# Allegro board LED_FIN.brd (continued)
## Placement (name value [footprint] x y rotation side) (continued)
D9711  0603_LED  [0603_SINGLE]  77.25 202 0 top
D9712  0603_LED  [0603_SINGLE]  79.25 202 0 top
D9713  0603_LED  [0603_SINGLE]  81.25 202 0 top
D9714  0603_LED  [0603_SINGLE]  83.25 202 0 top
D9715  0603_LED  [0603_SINGLE]  85.25 202 0 top
D9716  0603_LED  [0603_SINGLE]  87.25 202 0 top
D9717  0603_LED  [0603_SINGLE]  89.25 202 0 top
D9718  0603_LED  [0603_SINGLE]  91.25 202 0 top
D9719  0603_LED  [0603_SINGLE]  93.25 202 0 top
D9720  0603_LED  [0603_SINGLE]  95.25 202 0 top
D9721  0603_LED  [0603_SINGLE]  37.25 200 0 top
D9722  0603_LED  [0603_SINGLE]  39.25 200 0 top
D9723  0603_LED  [0603_SINGLE]  41.25 200 0 top
D9724  0603_LED  [0603_SINGLE]  43.25 200 0 top
D9725  0603_LED  [0603_SINGLE]  45.25 200 0 top
D9726  0603_LED  [0603_SINGLE]  47.25 200 0 top
D9727  0603_LED  [0603_SINGLE]  49.25 200 0 top
D9728  0603_LED  [0603_SINGLE]  51.25 200 0 top
D9729  0603_LED  [0603_SINGLE]  53.25 200 0 top
D9730  0603_LED  [0603_SINGLE]  55.25 200 0 top
D9731  0603_LED  [0603_SINGLE]  57.25 200 0 top
D9732  0603_LED  [0603_SINGLE]  59.25 200 0 top
D9733  0603_LED  [0603_SINGLE]  61.25 200 0 top
D9734  0603_LED  [0603_SINGLE]  63.25 200 0 top
D9735  0603_LED  [0603_SINGLE]  65.25 200 0 top
D9736  0603_LED  [0603_SINGLE]  67.25 200 0 top
D9737  0603_LED  [0603_SINGLE]  69.25 200 0 top
D9738  0603_LED  [0603_SINGLE]  71.25 200 0 top
D9739  0603_LED  [0603_SINGLE]  73.25 200 0 top
D9740  0603_LED  [0603_SINGLE]  75.25 200 0 top
D9741  0603_LED  [0603_SINGLE]  77.25 200 0 top
D9742  0603_LED  [0603_SINGLE]  79.25 200 0 top
D9743  0603_LED  [0603_SINGLE]  81.25 200 0 top
D9744  0603_LED  [0603_SINGLE]  83.25 200 0 top
D9745  0603_LED  [0603_SINGLE]  85.25 200 0 top
D9746  0603_LED  [0603_SINGLE]  87.25 200 0 top
D9747  0603_LED  [0603_SINGLE]  89.25 200 0 top
D9748  0603_LED  [0603_SINGLE]  91.25 200 0 top
D9749  0603_LED  [0603_SINGLE]  93.25 200 0 top
D9750  0603_LED  [0603_SINGLE]  95.25 200 0 top
D9751  0603_LED  [0603_SINGLE]  37.25 198 0 top
D9752  0603_LED  [0603_SINGLE]  39.25 198 0 top
D9753  0603_LED  [0603_SINGLE]  41.25 198 0 top
D9754  0603_LED  [0603_SINGLE]  43.25 198 0 top
D9755  0603_LED  [0603_SINGLE]  45.25 198 0 top
D9756  0603_LED  [0603_SINGLE]  47.25 198 0 top
D9757  0603_LED  [0603_SINGLE]  49.25 198 0 top
D9758  0603_LED  [0603_SINGLE]  51.25 198 0 top
D9759  0603_LED  [0603_SINGLE]  53.25 198 0 top
D9760  0603_LED  [0603_SINGLE]  55.25 198 0 top
D9761  0603_LED  [0603_SINGLE]  57.25 198 0 top
D9762  0603_LED  [0603_SINGLE]  59.25 198 0 top
D9763  0603_LED  [0603_SINGLE]  61.25 198 0 top
D9764  0603_LED  [0603_SINGLE]  63.25 198 0 top
D9765  0603_LED  [0603_SINGLE]  65.25 198 0 top
D9766  0603_LED  [0603_SINGLE]  67.25 198 0 top
D9767  0603_LED  [0603_SINGLE]  69.25 198 0 top
D9768  0603_LED  [0603_SINGLE]  71.25 198 0 top
D9769  0603_LED  [0603_SINGLE]  73.25 198 0 top
D9770  0603_LED  [0603_SINGLE]  75.25 198 0 top
D9771  0603_LED  [0603_SINGLE]  77.25 198 0 top
D9772  0603_LED  [0603_SINGLE]  79.25 198 0 top
D9773  0603_LED  [0603_SINGLE]  81.25 198 0 top
D9774  0603_LED  [0603_SINGLE]  83.25 198 0 top
D9775  0603_LED  [0603_SINGLE]  85.25 198 0 top
D9776  0603_LED  [0603_SINGLE]  87.25 198 0 top
D9777  0603_LED  [0603_SINGLE]  89.25 198 0 top
D9778  0603_LED  [0603_SINGLE]  91.25 198 0 top
D9779  0603_LED  [0603_SINGLE]  93.25 198 0 top
D9780  0603_LED  [0603_SINGLE]  95.25 198 0 top
D9781  0603_LED  [0603_SINGLE]  37.25 196 0 top
D9782  0603_LED  [0603_SINGLE]  39.25 196 0 top
D9783  0603_LED  [0603_SINGLE]  41.25 196 0 top
D9784  0603_LED  [0603_SINGLE]  43.25 196 0 top
D9785  0603_LED  [0603_SINGLE]  45.25 196 0 top
D9786  0603_LED  [0603_SINGLE]  47.25 196 0 top
D9787  0603_LED  [0603_SINGLE]  49.25 196 0 top
D9788  0603_LED  [0603_SINGLE]  51.25 196 0 top
D9789  0603_LED  [0603_SINGLE]  53.25 196 0 top
D9790  0603_LED  [0603_SINGLE]  55.25 196 0 top
D9791  0603_LED  [0603_SINGLE]  57.25 196 0 top
D9792  0603_LED  [0603_SINGLE]  59.25 196 0 top
D9793  0603_LED  [0603_SINGLE]  61.25 196 0 top
D9794  0603_LED  [0603_SINGLE]  63.25 196 0 top
D9795  0603_LED  [0603_SINGLE]  65.25 196 0 top
D9796  0603_LED  [0603_SINGLE]  67.25 196 0 top
D9797  0603_LED  [0603_SINGLE]  69.25 196 0 top
D9798  0603_LED  [0603_SINGLE]  71.25 196 0 top
D9799  0603_LED  [0603_SINGLE]  73.25 196 0 top
D9800  0603_LED  [0603_SINGLE]  75.25 196 0 top
D9801  0603_LED  [0603_SINGLE]  77.25 196 0 top
D9802  0603_LED  [0603_SINGLE]  79.25 196 0 top
D9803  0603_LED  [0603_SINGLE]  81.25 196 0 top
D9804  0603_LED  [0603_SINGLE]  83.25 196 0 top
D9805  0603_LED  [0603_SINGLE]  85.25 196 0 top
D9806  0603_LED  [0603_SINGLE]  87.25 196 0 top
D9807  0603_LED  [0603_SINGLE]  89.25 196 0 top
D9808  0603_LED  [0603_SINGLE]  91.25 196 0 top
D9809  0603_LED  [0603_SINGLE]  93.25 196 0 top
D9810  0603_LED  [0603_SINGLE]  95.25 196 0 top
D9811  0603_LED  [0603_SINGLE]  37.25 194 0 top
D9812  0603_LED  [0603_SINGLE]  39.25 194 0 top
D9813  0603_LED  [0603_SINGLE]  41.25 194 0 top
D9814  0603_LED  [0603_SINGLE]  43.25 194 0 top
D9815  0603_LED  [0603_SINGLE]  45.25 194 0 top
D9816  0603_LED  [0603_SINGLE]  47.25 194 0 top
D9817  0603_LED  [0603_SINGLE]  49.25 194 0 top
D9818  0603_LED  [0603_SINGLE]  51.25 194 0 top
D9819  0603_LED  [0603_SINGLE]  53.25 194 0 top
D9820  0603_LED  [0603_SINGLE]  55.25 194 0 top
D9821  0603_LED  [0603_SINGLE]  57.25 194 0 top
D9822  0603_LED  [0603_SINGLE]  59.25 194 0 top
D9823  0603_LED  [0603_SINGLE]  61.25 194 0 top
D9824  0603_LED  [0603_SINGLE]  63.25 194 0 top
D9825  0603_LED  [0603_SINGLE]  65.25 194 0 top
D9826  0603_LED  [0603_SINGLE]  67.25 194 0 top
D9827  0603_LED  [0603_SINGLE]  69.25 194 0 top
D9828  0603_LED  [0603_SINGLE]  71.25 194 0 top
D9829  0603_LED  [0603_SINGLE]  73.25 194 0 top
D9830  0603_LED  [0603_SINGLE]  75.25 194 0 top
D9831  0603_LED  [0603_SINGLE]  77.25 194 0 top
D9832  0603_LED  [0603_SINGLE]  79.25 194 0 top
D9833  0603_LED  [0603_SINGLE]  81.25 194 0 top
D9834  0603_LED  [0603_SINGLE]  83.25 194 0 top
D9835  0603_LED  [0603_SINGLE]  85.25 194 0 top
D9836  0603_LED  [0603_SINGLE]  87.25 194 0 top
D9837  0603_LED  [0603_SINGLE]  89.25 194 0 top
D9838  0603_LED  [0603_SINGLE]  91.25 194 0 top
D9839  0603_LED  [0603_SINGLE]  93.25 194 0 top
D9840  0603_LED  [0603_SINGLE]  95.25 194 0 top
D9841  0603_LED  [0603_SINGLE]  37.25 192 0 top
D9842  0603_LED  [0603_SINGLE]  39.25 192 0 top
D9843  0603_LED  [0603_SINGLE]  41.25 192 0 top
D9844  0603_LED  [0603_SINGLE]  43.25 192 0 top
D9845  0603_LED  [0603_SINGLE]  45.25 192 0 top
D9846  0603_LED  [0603_SINGLE]  47.25 192 0 top
D9847  0603_LED  [0603_SINGLE]  49.25 192 0 top
D9848  0603_LED  [0603_SINGLE]  51.25 192 0 top
D9849  0603_LED  [0603_SINGLE]  53.25 192 0 top
D9850  0603_LED  [0603_SINGLE]  55.25 192 0 top
D9851  0603_LED  [0603_SINGLE]  57.25 192 0 top
D9852  0603_LED  [0603_SINGLE]  59.25 192 0 top
D9853  0603_LED  [0603_SINGLE]  61.25 192 0 top
D9854  0603_LED  [0603_SINGLE]  63.25 192 0 top
D9855  0603_LED  [0603_SINGLE]  65.25 192 0 top
D9856  0603_LED  [0603_SINGLE]  67.25 192 0 top
D9857  0603_LED  [0603_SINGLE]  69.25 192 0 top
D9858  0603_LED  [0603_SINGLE]  71.25 192 0 top
D9859  0603_LED  [0603_SINGLE]  73.25 192 0 top
D9860  0603_LED  [0603_SINGLE]  75.25 192 0 top
D9861  0603_LED  [0603_SINGLE]  77.25 192 0 top
D9862  0603_LED  [0603_SINGLE]  79.25 192 0 top
D9863  0603_LED  [0603_SINGLE]  81.25 192 0 top
D9864  0603_LED  [0603_SINGLE]  83.25 192 0 top
D9865  0603_LED  [0603_SINGLE]  85.25 192 0 top
D9866  0603_LED  [0603_SINGLE]  87.25 192 0 top
D9867  0603_LED  [0603_SINGLE]  89.25 192 0 top
D9868  0603_LED  [0603_SINGLE]  91.25 192 0 top
D9869  0603_LED  [0603_SINGLE]  93.25 192 0 top
D9870  0603_LED  [0603_SINGLE]  95.25 192 0 top
D9871  0603_LED  [0603_SINGLE]  37.25 190 0 top
D9872  0603_LED  [0603_SINGLE]  39.25 190 0 top
D9873  0603_LED  [0603_SINGLE]  41.25 190 0 top
D9874  0603_LED  [0603_SINGLE]  43.25 190 0 top
D9875  0603_LED  [0603_SINGLE]  45.25 190 0 top
D9876  0603_LED  [0603_SINGLE]  47.25 190 0 top
D9877  0603_LED  [0603_SINGLE]  49.25 190 0 top
D9878  0603_LED  [0603_SINGLE]  51.25 190 0 top
D9879  0603_LED  [0603_SINGLE]  53.25 190 0 top
D9880  0603_LED  [0603_SINGLE]  55.25 190 0 top
D9881  0603_LED  [0603_SINGLE]  57.25 190 0 top
D9882  0603_LED  [0603_SINGLE]  59.25 190 0 top
D9883  0603_LED  [0603_SINGLE]  61.25 190 0 top
D9884  0603_LED  [0603_SINGLE]  63.25 190 0 top
D9885  0603_LED  [0603_SINGLE]  65.25 190 0 top
D9886  0603_LED  [0603_SINGLE]  67.25 190 0 top
D9887  0603_LED  [0603_SINGLE]  69.25 190 0 top
D9888  0603_LED  [0603_SINGLE]  71.25 190 0 top
D9889  0603_LED  [0603_SINGLE]  73.25 190 0 top
D9890  0603_LED  [0603_SINGLE]  75.25 190 0 top
D9891  0603_LED  [0603_SINGLE]  77.25 190 0 top
D9892  0603_LED  [0603_SINGLE]  79.25 190 0 top
D9893  0603_LED  [0603_SINGLE]  81.25 190 0 top
D9894  0603_LED  [0603_SINGLE]  83.25 190 0 top
D9895  0603_LED  [0603_SINGLE]  85.25 190 0 top
D9896  0603_LED  [0603_SINGLE]  87.25 190 0 top
D9897  0603_LED  [0603_SINGLE]  89.25 190 0 top
D9898  0603_LED  [0603_SINGLE]  91.25 190 0 top
D9899  0603_LED  [0603_SINGLE]  93.25 190 0 top
D9900  0603_LED  [0603_SINGLE]  95.25 190 0 top
D9901  0603_LED  [0603_SINGLE]  37.25 188 0 top
D9902  0603_LED  [0603_SINGLE]  39.25 188 0 top
D9903  0603_LED  [0603_SINGLE]  41.25 188 0 top
D9904  0603_LED  [0603_SINGLE]  43.25 188 0 top
D9905  0603_LED  [0603_SINGLE]  45.25 188 0 top
D9906  0603_LED  [0603_SINGLE]  47.25 188 0 top
D9907  0603_LED  [0603_SINGLE]  49.25 188 0 top
D9908  0603_LED  [0603_SINGLE]  51.25 188 0 top
D9909  0603_LED  [0603_SINGLE]  53.25 188 0 top
D9910  0603_LED  [0603_SINGLE]  55.25 188 0 top
D9911  0603_LED  [0603_SINGLE]  57.25 188 0 top
D9912  0603_LED  [0603_SINGLE]  59.25 188 0 top
D9913  0603_LED  [0603_SINGLE]  61.25 188 0 top
D9914  0603_LED  [0603_SINGLE]  63.25 188 0 top
D9915  0603_LED  [0603_SINGLE]  65.25 188 0 top
D9916  0603_LED  [0603_SINGLE]  67.25 188 0 top
D9917  0603_LED  [0603_SINGLE]  69.25 188 0 top
D9918  0603_LED  [0603_SINGLE]  71.25 188 0 top
D9919  0603_LED  [0603_SINGLE]  73.25 188 0 top
D9920  0603_LED  [0603_SINGLE]  75.25 188 0 top
D9921  0603_LED  [0603_SINGLE]  77.25 188 0 top
D9922  0603_LED  [0603_SINGLE]  79.25 188 0 top
D9923  0603_LED  [0603_SINGLE]  81.25 188 0 top
D9924  0603_LED  [0603_SINGLE]  83.25 188 0 top
D9925  0603_LED  [0603_SINGLE]  85.25 188 0 top
D9926  0603_LED  [0603_SINGLE]  87.25 188 0 top
D9927  0603_LED  [0603_SINGLE]  89.25 188 0 top
D9928  0603_LED  [0603_SINGLE]  91.25 188 0 top
D9929  0603_LED  [0603_SINGLE]  93.25 188 0 top
D9930  0603_LED  [0603_SINGLE]  95.25 188 0 top
D9931  0603_LED  [0603_SINGLE]  37.25 186 0 top
D9932  0603_LED  [0603_SINGLE]  39.25 186 0 top
D9933  0603_LED  [0603_SINGLE]  41.25 186 0 top
D9934  0603_LED  [0603_SINGLE]  43.25 186 0 top
D9935  0603_LED  [0603_SINGLE]  45.25 186 0 top
D9936  0603_LED  [0603_SINGLE]  47.25 186 0 top
D9937  0603_LED  [0603_SINGLE]  49.25 186 0 top
D9938  0603_LED  [0603_SINGLE]  51.25 186 0 top
D9939  0603_LED  [0603_SINGLE]  53.25 186 0 top
D9940  0603_LED  [0603_SINGLE]  55.25 186 0 top
D9941  0603_LED  [0603_SINGLE]  57.25 186 0 top
D9942  0603_LED  [0603_SINGLE]  59.25 186 0 top
D9943  0603_LED  [0603_SINGLE]  61.25 186 0 top
D9944  0603_LED  [0603_SINGLE]  63.25 186 0 top
D9945  0603_LED  [0603_SINGLE]  65.25 186 0 top
D9946  0603_LED  [0603_SINGLE]  67.25 186 0 top
D9947  0603_LED  [0603_SINGLE]  69.25 186 0 top
D9948  0603_LED  [0603_SINGLE]  71.25 186 0 top
D9949  0603_LED  [0603_SINGLE]  73.25 186 0 top
D9950  0603_LED  [0603_SINGLE]  75.25 186 0 top
D9951  0603_LED  [0603_SINGLE]  77.25 186 0 top
D9952  0603_LED  [0603_SINGLE]  79.25 186 0 top
D9953  0603_LED  [0603_SINGLE]  81.25 186 0 top
D9954  0603_LED  [0603_SINGLE]  83.25 186 0 top
D9955  0603_LED  [0603_SINGLE]  85.25 186 0 top
D9956  0603_LED  [0603_SINGLE]  87.25 186 0 top
D9957  0603_LED  [0603_SINGLE]  89.25 186 0 top
D9958  0603_LED  [0603_SINGLE]  91.25 186 0 top
D9959  0603_LED  [0603_SINGLE]  93.25 186 0 top
D9960  0603_LED  [0603_SINGLE]  95.25 186 0 top
D9961  0603_LED  [0603_SINGLE]  37.25 184 0 top
D9962  0603_LED  [0603_SINGLE]  39.25 184 0 top
D9963  0603_LED  [0603_SINGLE]  41.25 184 0 top
D9964  0603_LED  [0603_SINGLE]  43.25 184 0 top
D9965  0603_LED  [0603_SINGLE]  45.25 184 0 top
D9966  0603_LED  [0603_SINGLE]  47.25 184 0 top
D9967  0603_LED  [0603_SINGLE]  49.25 184 0 top
D9968  0603_LED  [0603_SINGLE]  51.25 184 0 top
D9969  0603_LED  [0603_SINGLE]  53.25 184 0 top
D9970  0603_LED  [0603_SINGLE]  55.25 184 0 top
D9971  0603_LED  [0603_SINGLE]  57.25 184 0 top
D9972  0603_LED  [0603_SINGLE]  59.25 184 0 top
D9973  0603_LED  [0603_SINGLE]  61.25 184 0 top
D9974  0603_LED  [0603_SINGLE]  63.25 184 0 top
D9975  0603_LED  [0603_SINGLE]  65.25 184 0 top
D9976  0603_LED  [0603_SINGLE]  67.25 184 0 top
D9977  0603_LED  [0603_SINGLE]  69.25 184 0 top
D9978  0603_LED  [0603_SINGLE]  71.25 184 0 top
D9979  0603_LED  [0603_SINGLE]  73.25 184 0 top
D9980  0603_LED  [0603_SINGLE]  75.25 184 0 top
D9981  0603_LED  [0603_SINGLE]  77.25 184 0 top
D9982  0603_LED  [0603_SINGLE]  79.25 184 0 top
D9983  0603_LED  [0603_SINGLE]  81.25 184 0 top
D9984  0603_LED  [0603_SINGLE]  83.25 184 0 top
D9985  0603_LED  [0603_SINGLE]  85.25 184 0 top
D9986  0603_LED  [0603_SINGLE]  87.25 184 0 top
D9987  0603_LED  [0603_SINGLE]  89.25 184 0 top
D9988  0603_LED  [0603_SINGLE]  91.25 184 0 top
D9989  0603_LED  [0603_SINGLE]  93.25 184 0 top
D9990  0603_LED  [0603_SINGLE]  95.25 184 0 top
D9991  0603_LED  [0603_SINGLE]  37.25 182 0 top
D9992  0603_LED  [0603_SINGLE]  39.25 182 0 top
D9993  0603_LED  [0603_SINGLE]  41.25 182 0 top
D9994  0603_LED  [0603_SINGLE]  43.25 182 0 top
D9995  0603_LED  [0603_SINGLE]  45.25 182 0 top
D9996  0603_LED  [0603_SINGLE]  47.25 182 0 top
D9997  0603_LED  [0603_SINGLE]  49.25 182 0 top
D9998  0603_LED  [0603_SINGLE]  51.25 182 0 top
D9999  0603_LED  [0603_SINGLE]  53.25 182 0 top
D10000  0603_LED  [0603_SINGLE]  55.25 182 0 top
D10001  0603_LED  [0603_SINGLE]  57.25 182 0 top
D10002  0603_LED  [0603_SINGLE]  59.25 182 0 top
D10003  0603_LED  [0603_SINGLE]  61.25 182 0 top
D10004  0603_LED  [0603_SINGLE]  63.25 182 0 top
D10005  0603_LED  [0603_SINGLE]  65.25 182 0 top
D10006  0603_LED  [0603_SINGLE]  67.25 182 0 top
D10007  0603_LED  [0603_SINGLE]  69.25 182 0 top
D10008  0603_LED  [0603_SINGLE]  71.25 182 0 top
D10009  0603_LED  [0603_SINGLE]  73.25 182 0 top
D10010  0603_LED  [0603_SINGLE]  75.25 182 0 top
D10011  0603_LED  [0603_SINGLE]  77.25 182 0 top
D10012  0603_LED  [0603_SINGLE]  79.25 182 0 top
D10013  0603_LED  [0603_SINGLE]  81.25 182 0 top
D10014  0603_LED  [0603_SINGLE]  83.25 182 0 top
D10015  0603_LED  [0603_SINGLE]  85.25 182 0 top
D10016  0603_LED  [0603_SINGLE]  87.25 182 0 top
D10017  0603_LED  [0603_SINGLE]  89.25 182 0 top
D10018  0603_LED  [0603_SINGLE]  91.25 182 0 top
D10019  0603_LED  [0603_SINGLE]  93.25 182 0 top
D10020  0603_LED  [0603_SINGLE]  95.25 182 0 top
D10021  0603_LED  [0603_SINGLE]  37.25 180 0 top
D10022  0603_LED  [0603_SINGLE]  39.25 180 0 top
D10023  0603_LED  [0603_SINGLE]  41.25 180 0 top
D10024  0603_LED  [0603_SINGLE]  43.25 180 0 top
D10025  0603_LED  [0603_SINGLE]  45.25 180 0 top
D10026  0603_LED  [0603_SINGLE]  47.25 180 0 top
D10027  0603_LED  [0603_SINGLE]  49.25 180 0 top
D10028  0603_LED  [0603_SINGLE]  51.25 180 0 top
D10029  0603_LED  [0603_SINGLE]  53.25 180 0 top
D10030  0603_LED  [0603_SINGLE]  55.25 180 0 top
D10031  0603_LED  [0603_SINGLE]  57.25 180 0 top
D10032  0603_LED  [0603_SINGLE]  59.25 180 0 top
D10033  0603_LED  [0603_SINGLE]  61.25 180 0 top
D10034  0603_LED  [0603_SINGLE]  63.25 180 0 top
D10035  0603_LED  [0603_SINGLE]  65.25 180 0 top
D10036  0603_LED  [0603_SINGLE]  67.25 180 0 top
D10037  0603_LED  [0603_SINGLE]  69.25 180 0 top
D10038  0603_LED  [0603_SINGLE]  71.25 180 0 top
D10039  0603_LED  [0603_SINGLE]  73.25 180 0 top
D10040  0603_LED  [0603_SINGLE]  75.25 180 0 top
D10041  0603_LED  [0603_SINGLE]  77.25 180 0 top
D10042  0603_LED  [0603_SINGLE]  79.25 180 0 top
D10043  0603_LED  [0603_SINGLE]  81.25 180 0 top
D10044  0603_LED  [0603_SINGLE]  83.25 180 0 top
D10045  0603_LED  [0603_SINGLE]  85.25 180 0 top
D10046  0603_LED  [0603_SINGLE]  87.25 180 0 top
D10047  0603_LED  [0603_SINGLE]  89.25 180 0 top
D10048  0603_LED  [0603_SINGLE]  91.25 180 0 top
D10049  0603_LED  [0603_SINGLE]  93.25 180 0 top
D10050  0603_LED  [0603_SINGLE]  95.25 180 0 top
D10051  0603_LED  [0603_SINGLE]  37.25 178 0 top
D10052  0603_LED  [0603_SINGLE]  39.25 178 0 top
D10053  0603_LED  [0603_SINGLE]  41.25 178 0 top
D10054  0603_LED  [0603_SINGLE]  43.25 178 0 top
D10055  0603_LED  [0603_SINGLE]  45.25 178 0 top
D10056  0603_LED  [0603_SINGLE]  47.25 178 0 top
D10057  0603_LED  [0603_SINGLE]  49.25 178 0 top
D10058  0603_LED  [0603_SINGLE]  51.25 178 0 top
D10059  0603_LED  [0603_SINGLE]  53.25 178 0 top
D10060  0603_LED  [0603_SINGLE]  55.25 178 0 top
D10061  0603_LED  [0603_SINGLE]  57.25 178 0 top
D10062  0603_LED  [0603_SINGLE]  59.25 178 0 top
D10063  0603_LED  [0603_SINGLE]  61.25 178 0 top
D10064  0603_LED  [0603_SINGLE]  63.25 178 0 top
D10065  0603_LED  [0603_SINGLE]  65.25 178 0 top
D10066  0603_LED  [0603_SINGLE]  67.25 178 0 top
D10067  0603_LED  [0603_SINGLE]  69.25 178 0 top
D10068  0603_LED  [0603_SINGLE]  71.25 178 0 top
D10069  0603_LED  [0603_SINGLE]  73.25 178 0 top
D10070  0603_LED  [0603_SINGLE]  75.25 178 0 top
D10071  0603_LED  [0603_SINGLE]  77.25 178 0 top
D10072  0603_LED  [0603_SINGLE]  79.25 178 0 top
D10073  0603_LED  [0603_SINGLE]  81.25 178 0 top
D10074  0603_LED  [0603_SINGLE]  83.25 178 0 top
D10075  0603_LED  [0603_SINGLE]  85.25 178 0 top
D10076  0603_LED  [0603_SINGLE]  87.25 178 0 top
D10077  0603_LED  [0603_SINGLE]  89.25 178 0 top
D10078  0603_LED  [0603_SINGLE]  91.25 178 0 top
D10079  0603_LED  [0603_SINGLE]  93.25 178 0 top
D10080  0603_LED  [0603_SINGLE]  95.25 178 0 top
D10081  0603_LED  [0603_SINGLE]  37.25 176 0 top
D10082  0603_LED  [0603_SINGLE]  39.25 176 0 top
D10083  0603_LED  [0603_SINGLE]  41.25 176 0 top
D10084  0603_LED  [0603_SINGLE]  43.25 176 0 top
D10085  0603_LED  [0603_SINGLE]  45.25 176 0 top
D10086  0603_LED  [0603_SINGLE]  47.25 176 0 top
D10087  0603_LED  [0603_SINGLE]  49.25 176 0 top
D10088  0603_LED  [0603_SINGLE]  51.25 176 0 top
D10089  0603_LED  [0603_SINGLE]  53.25 176 0 top
D10090  0603_LED  [0603_SINGLE]  55.25 176 0 top
D10091  0603_LED  [0603_SINGLE]  57.25 176 0 top
D10092  0603_LED  [0603_SINGLE]  59.25 176 0 top
D10093  0603_LED  [0603_SINGLE]  61.25 176 0 top
D10094  0603_LED  [0603_SINGLE]  63.25 176 0 top
D10095  0603_LED  [0603_SINGLE]  65.25 176 0 top
D10096  0603_LED  [0603_SINGLE]  67.25 176 0 top
D10097  0603_LED  [0603_SINGLE]  69.25 176 0 top
D10098  0603_LED  [0603_SINGLE]  71.25 176 0 top
D10099  0603_LED  [0603_SINGLE]  73.25 176 0 top
D10100  0603_LED  [0603_SINGLE]  75.25 176 0 top
D10101  0603_LED  [0603_SINGLE]  77.25 176 0 top
D10102  0603_LED  [0603_SINGLE]  79.25 176 0 top
D10103  0603_LED  [0603_SINGLE]  81.25 176 0 top
D10104  0603_LED  [0603_SINGLE]  83.25 176 0 top
D10105  0603_LED  [0603_SINGLE]  85.25 176 0 top
D10106  0603_LED  [0603_SINGLE]  87.25 176 0 top
D10107  0603_LED  [0603_SINGLE]  89.25 176 0 top
D10108  0603_LED  [0603_SINGLE]  91.25 176 0 top
D10109  0603_LED  [0603_SINGLE]  93.25 176 0 top
D10110  0603_LED  [0603_SINGLE]  95.25 176 0 top
D10111  0603_LED  [0603_SINGLE]  37.25 174 0 top
D10112  0603_LED  [0603_SINGLE]  39.25 174 0 top
D10113  0603_LED  [0603_SINGLE]  41.25 174 0 top
D10114  0603_LED  [0603_SINGLE]  43.25 174 0 top
D10115  0603_LED  [0603_SINGLE]  45.25 174 0 top
D10116  0603_LED  [0603_SINGLE]  47.25 174 0 top
D10117  0603_LED  [0603_SINGLE]  49.25 174 0 top
D10118  0603_LED  [0603_SINGLE]  51.25 174 0 top
D10119  0603_LED  [0603_SINGLE]  53.25 174 0 top
D10120  0603_LED  [0603_SINGLE]  55.25 174 0 top
D10121  0603_LED  [0603_SINGLE]  57.25 174 0 top
D10122  0603_LED  [0603_SINGLE]  59.25 174 0 top
D10123  0603_LED  [0603_SINGLE]  61.25 174 0 top
D10124  0603_LED  [0603_SINGLE]  63.25 174 0 top
D10125  0603_LED  [0603_SINGLE]  65.25 174 0 top
D10126  0603_LED  [0603_SINGLE]  67.25 174 0 top
D10127  0603_LED  [0603_SINGLE]  69.25 174 0 top
D10128  0603_LED  [0603_SINGLE]  71.25 174 0 top
D10129  0603_LED  [0603_SINGLE]  73.25 174 0 top
D10130  0603_LED  [0603_SINGLE]  75.25 174 0 top
D10131  0603_LED  [0603_SINGLE]  77.25 174 0 top
D10132  0603_LED  [0603_SINGLE]  79.25 174 0 top
D10133  0603_LED  [0603_SINGLE]  81.25 174 0 top
D10134  0603_LED  [0603_SINGLE]  83.25 174 0 top
D10135  0603_LED  [0603_SINGLE]  85.25 174 0 top
D10136  0603_LED  [0603_SINGLE]  87.25 174 0 top
D10137  0603_LED  [0603_SINGLE]  89.25 174 0 top
D10138  0603_LED  [0603_SINGLE]  91.25 174 0 top
D10139  0603_LED  [0603_SINGLE]  93.25 174 0 top
D10140  0603_LED  [0603_SINGLE]  95.25 174 0 top
D10141  0603_LED  [0603_SINGLE]  37.25 172 0 top
D10142  0603_LED  [0603_SINGLE]  39.25 172 0 top
D10143  0603_LED  [0603_SINGLE]  41.25 172 0 top
D10144  0603_LED  [0603_SINGLE]  43.25 172 0 top
D10145  0603_LED  [0603_SINGLE]  45.25 172 0 top
D10146  0603_LED  [0603_SINGLE]  47.25 172 0 top
D10147  0603_LED  [0603_SINGLE]  49.25 172 0 top
D10148  0603_LED  [0603_SINGLE]  51.25 172 0 top
D10149  0603_LED  [0603_SINGLE]  53.25 172 0 top
D10150  0603_LED  [0603_SINGLE]  55.25 172 0 top
D10151  0603_LED  [0603_SINGLE]  57.25 172 0 top
D10152  0603_LED  [0603_SINGLE]  59.25 172 0 top
D10153  0603_LED  [0603_SINGLE]  61.25 172 0 top
D10154  0603_LED  [0603_SINGLE]  63.25 172 0 top
D10155  0603_LED  [0603_SINGLE]  65.25 172 0 top
D10156  0603_LED  [0603_SINGLE]  67.25 172 0 top
D10157  0603_LED  [0603_SINGLE]  69.25 172 0 top
D10158  0603_LED  [0603_SINGLE]  71.25 172 0 top
D10159  0603_LED  [0603_SINGLE]  73.25 172 0 top
D10160  0603_LED  [0603_SINGLE]  75.25 172 0 top
D10161  0603_LED  [0603_SINGLE]  77.25 172 0 top
D10162  0603_LED  [0603_SINGLE]  79.25 172 0 top
D10163  0603_LED  [0603_SINGLE]  81.25 172 0 top
D10164  0603_LED  [0603_SINGLE]  83.25 172 0 top
D10165  0603_LED  [0603_SINGLE]  85.25 172 0 top
D10166  0603_LED  [0603_SINGLE]  87.25 172 0 top
D10167  0603_LED  [0603_SINGLE]  89.25 172 0 top
D10168  0603_LED  [0603_SINGLE]  91.25 172 0 top
D10169  0603_LED  [0603_SINGLE]  93.25 172 0 top
D10170  0603_LED  [0603_SINGLE]  95.25 172 0 top
D10171  0603_LED  [0603_SINGLE]  37.25 170 0 top
D10172  0603_LED  [0603_SINGLE]  39.25 170 0 top
D10173  0603_LED  [0603_SINGLE]  41.25 170 0 top
D10174  0603_LED  [0603_SINGLE]  43.25 170 0 top
D10175  0603_LED  [0603_SINGLE]  45.25 170 0 top
D10176  0603_LED  [0603_SINGLE]  47.25 170 0 top
D10177  0603_LED  [0603_SINGLE]  49.25 170 0 top
D10178  0603_LED  [0603_SINGLE]  51.25 170 0 top
D10179  0603_LED  [0603_SINGLE]  53.25 170 0 top
D10180  0603_LED  [0603_SINGLE]  55.25 170 0 top
D10181  0603_LED  [0603_SINGLE]  57.25 170 0 top
D10182  0603_LED  [0603_SINGLE]  59.25 170 0 top
D10183  0603_LED  [0603_SINGLE]  61.25 170 0 top
D10184  0603_LED  [0603_SINGLE]  63.25 170 0 top
D10185  0603_LED  [0603_SINGLE]  65.25 170 0 top
D10186  0603_LED  [0603_SINGLE]  67.25 170 0 top
D10187  0603_LED  [0603_SINGLE]  69.25 170 0 top
D10188  0603_LED  [0603_SINGLE]  71.25 170 0 top
D10189  0603_LED  [0603_SINGLE]  73.25 170 0 top
D10190  0603_LED  [0603_SINGLE]  75.25 170 0 top
D10191  0603_LED  [0603_SINGLE]  77.25 170 0 top
D10192  0603_LED  [0603_SINGLE]  79.25 170 0 top
D10193  0603_LED  [0603_SINGLE]  81.25 170 0 top
D10194  0603_LED  [0603_SINGLE]  83.25 170 0 top
D10195  0603_LED  [0603_SINGLE]  85.25 170 0 top
D10196  0603_LED  [0603_SINGLE]  87.25 170 0 top
D10197  0603_LED  [0603_SINGLE]  89.25 170 0 top
D10198  0603_LED  [0603_SINGLE]  91.25 170 0 top
D10199  0603_LED  [0603_SINGLE]  93.25 170 0 top
D10200  0603_LED  [0603_SINGLE]  95.25 170 0 top
D10201  0603_LED  [0603_SINGLE]  37.25 168 0 top
D10202  0603_LED  [0603_SINGLE]  39.25 168 0 top
D10203  0603_LED  [0603_SINGLE]  41.25 168 0 top
D10204  0603_LED  [0603_SINGLE]  43.25 168 0 top
D10205  0603_LED  [0603_SINGLE]  45.25 168 0 top
D10206  0603_LED  [0603_SINGLE]  47.25 168 0 top
D10207  0603_LED  [0603_SINGLE]  49.25 168 0 top
D10208  0603_LED  [0603_SINGLE]  51.25 168 0 top
D10209  0603_LED  [0603_SINGLE]  53.25 168 0 top
D10210  0603_LED  [0603_SINGLE]  55.25 168 0 top
D10211  0603_LED  [0603_SINGLE]  57.25 168 0 top
D10212  0603_LED  [0603_SINGLE]  59.25 168 0 top
D10213  0603_LED  [0603_SINGLE]  61.25 168 0 top
D10214  0603_LED  [0603_SINGLE]  63.25 168 0 top
D10215  0603_LED  [0603_SINGLE]  65.25 168 0 top
D10216  0603_LED  [0603_SINGLE]  67.25 168 0 top
D10217  0603_LED  [0603_SINGLE]  69.25 168 0 top
D10218  0603_LED  [0603_SINGLE]  71.25 168 0 top
D10219  0603_LED  [0603_SINGLE]  73.25 168 0 top
D10220  0603_LED  [0603_SINGLE]  75.25 168 0 top
D10221  0603_LED  [0603_SINGLE]  77.25 168 0 top
D10222  0603_LED  [0603_SINGLE]  79.25 168 0 top
D10223  0603_LED  [0603_SINGLE]  81.25 168 0 top
D10224  0603_LED  [0603_SINGLE]  83.25 168 0 top
D10225  0603_LED  [0603_SINGLE]  85.25 168 0 top
